# Altium PCB 6 Layers Motherboard.PcbDoc (part 1 of 2) (continued)
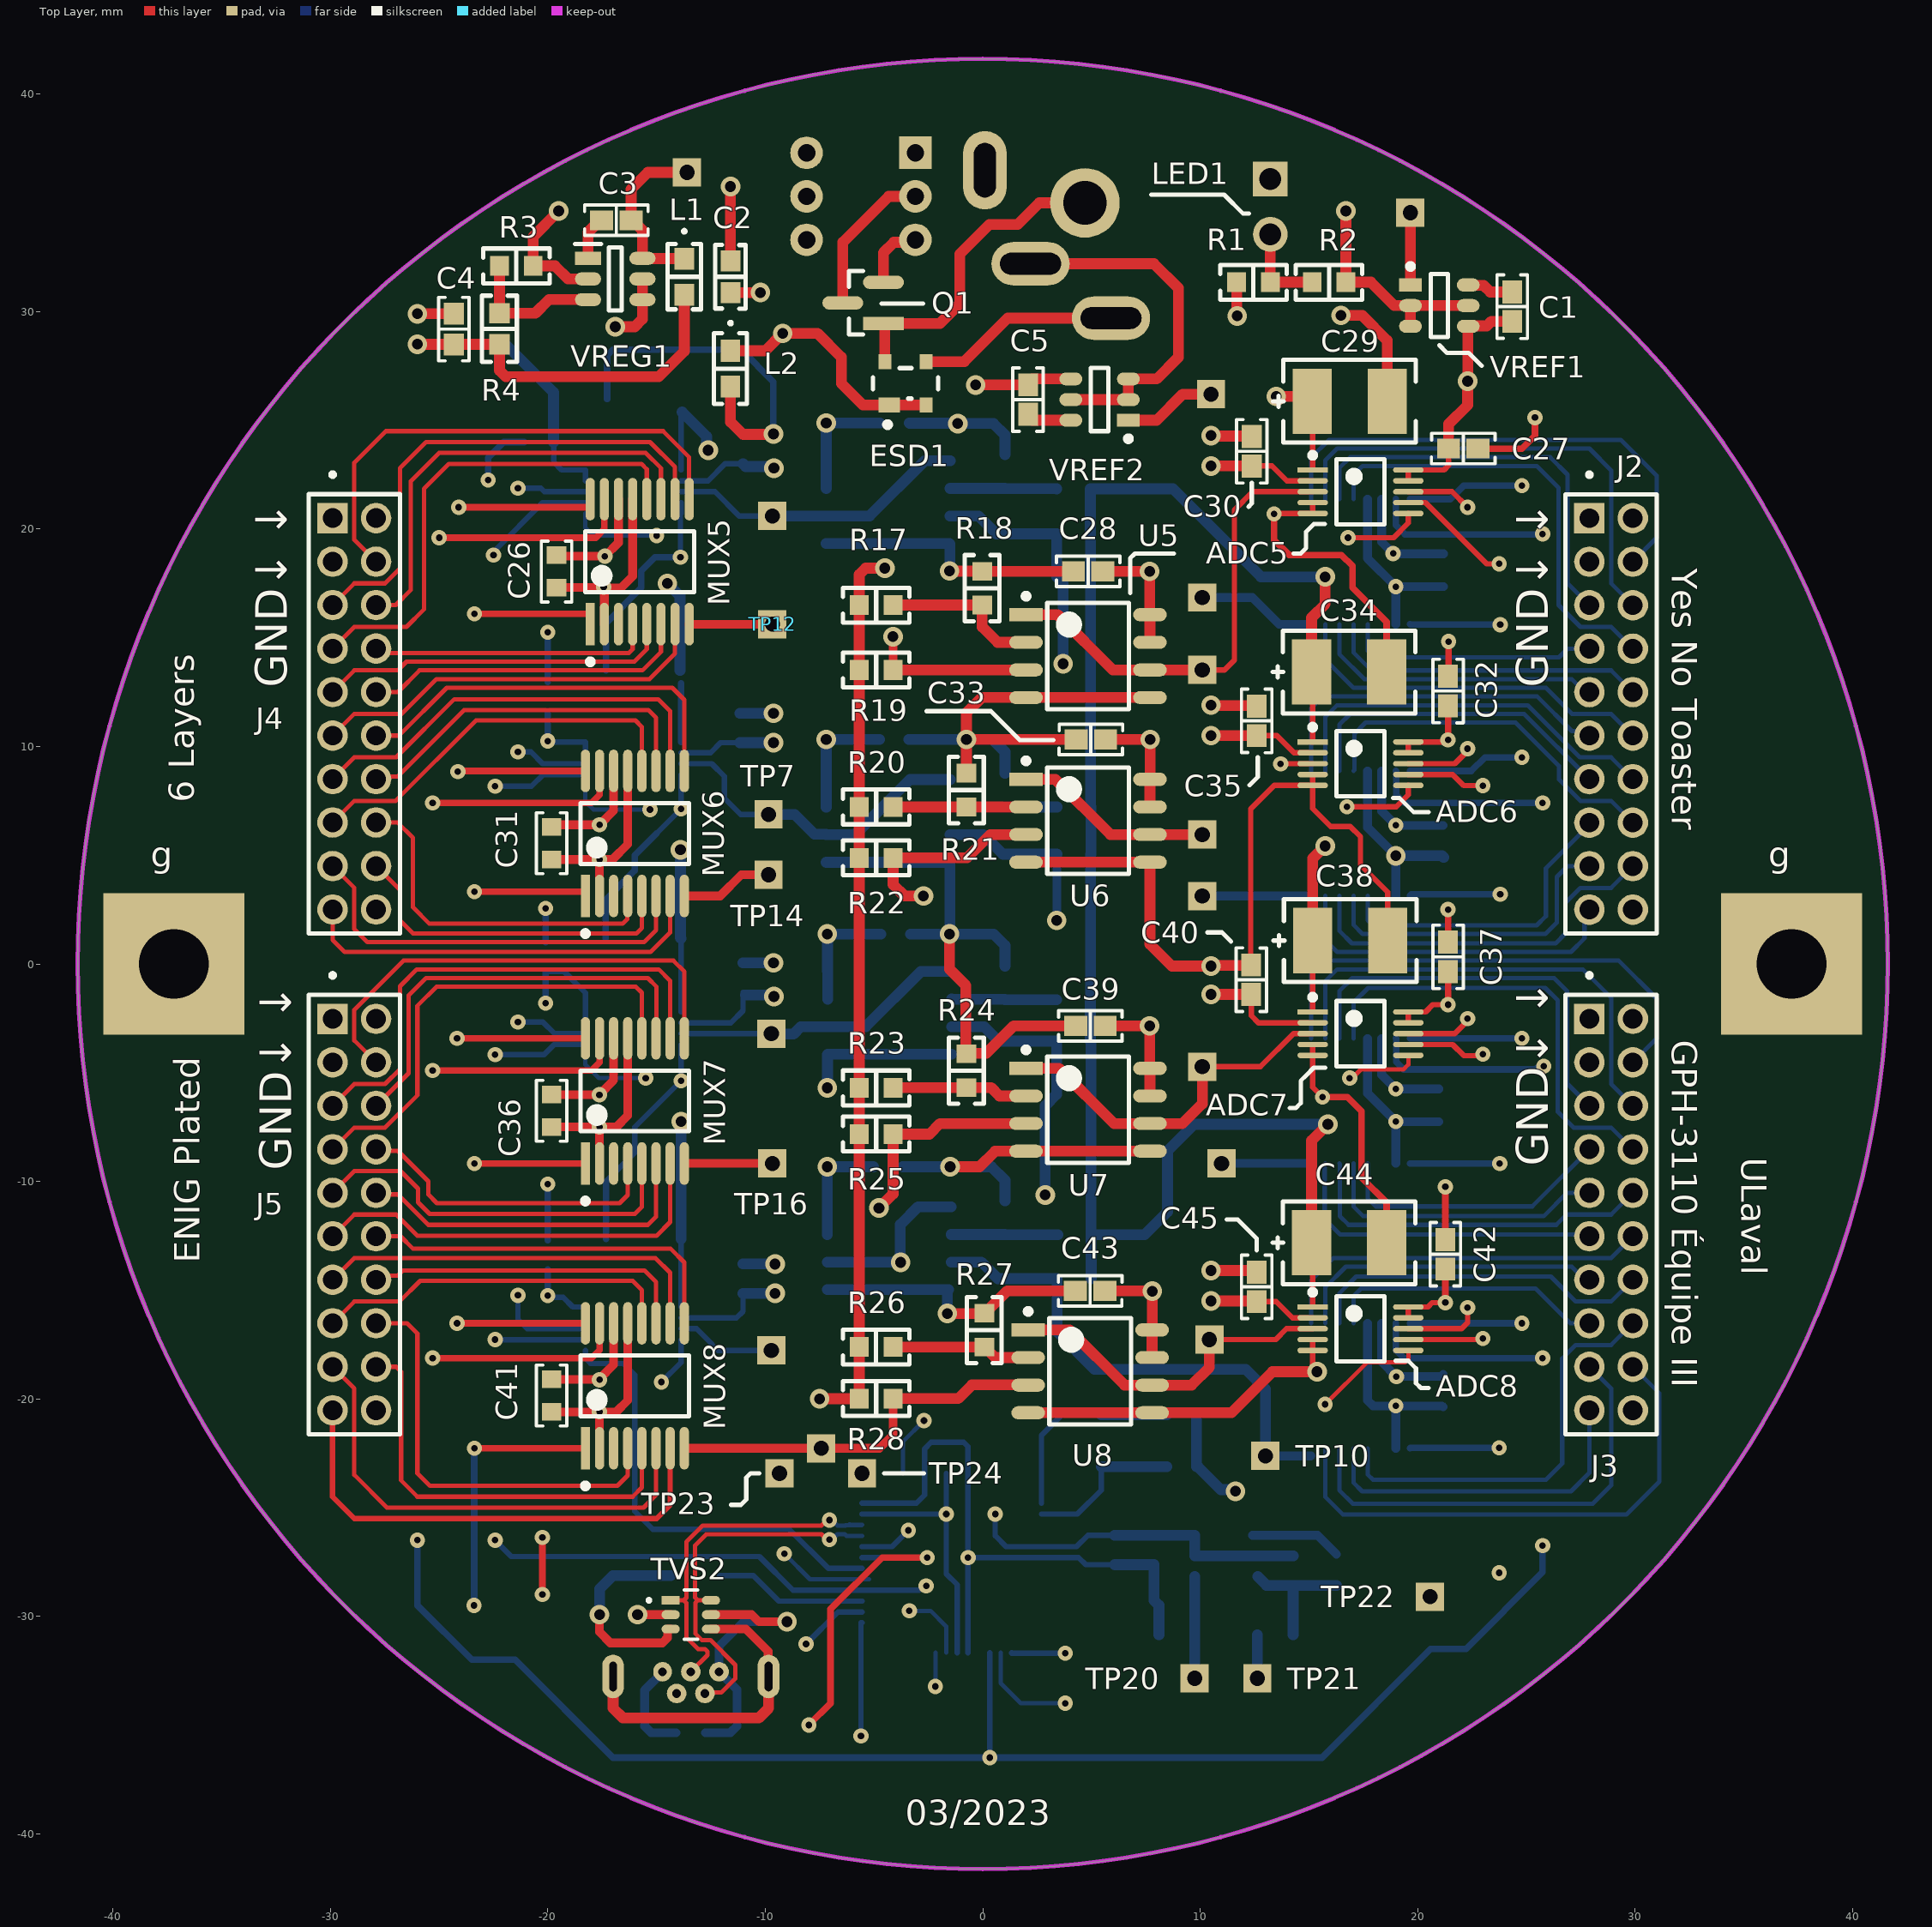
[diagram p0: Top Layer view]
## Components (designator, comment, footprint, x,y, rotation, side; value= is the part's Value field where it differs from the comment) (continued)
MUX5 "TMUX1208PWR" TMUX1208PWR -15.775,18.499 r90 top
MUX6 "TMUX1208PWR" TMUX1208PWR -16,6 r90 top
MUX7 "TMUX1208PWR" TMUX1208PWR -16,-6.3 r90 top
MUX8 "TMUX1208PWR" TMUX1208PWR -16,-19.4 r90 top
Q1 "IRLML9303TRPBF" IRLML9303TRPBF -5.5,30.4 r180 top
R1 "RC0603FR-072K61L" "Resistor Yaego SMT 0603" 12.45,31.35 r0 top value=2K61
R2 "RC0603FR-074K64L" "Resistor Yaego SMT 0603" 15.927,31.35 r180 top value=4K64
R3 "Res 22K1 SMT 0603" "Resistor Yaego SMT 0603" -21.448,32.1 r0 top value=22K1
R4 "Res 88K7 SMT 0603" "Res 88K7 1% SMT 0603" -22.225,29.208 r270 top
R5 "Res 10K SMT 0603" "Res 10K 0.1% SMT 0603" 4.175,21.85 r180 bottom value=10K
R6 "Res 10K SMT 0603" "Res 10K 0.1% SMT 0603" 1.025,22.647 r90 bottom value=10K
R7 "Res 10K SMT 0603" "Res 10K 0.1% SMT 0603" 4.175,19.775 r180 bottom value=10K
R8 "Res 10K SMT 0603" "Res 10K 0.1% SMT 0603" 4.2,7.22 r180 bottom value=10K
R9 "Res 10K SMT 0603" "Res 10K 0.1% SMT 0603" 1.025,7.987 r90 bottom value=10K
R10 "Res 10K SMT 0603" "Res 10K 0.1% SMT 0603" 4.2,5.05 r180 bottom value=10K
R11 "Res 10K SMT 0603" "Res 10K 0.1% SMT 0603" 4.175,-1.65 r180 bottom value=10K
R12 "Res 10K SMT 0603" "Res 10K 0.1% SMT 0603" 1.025,-0.873 r90 bottom value=10K
R13 "Res 10K SMT 0603" "Res 10K 0.1% SMT 0603" 4.175,-3.55 r180 bottom value=10K
R14 "Res 10K SMT 0603" "Res 10K 0.1% SMT 0603" 4.225,-12.45 r180 bottom value=10K
R15 "Res 10K SMT 0603" "Res 10K 0.1% SMT 0603" 1.025,-11.673 r90 bottom value=10K
R16 "Res 10K SMT 0603" "Res 10K 0.1% SMT 0603" 4.2,-14.475 r180 bottom value=10K
R17 "Res 10K SMT 0603" "Res 10K 0.1% SMT 0603" -4.9,16.502 r0 top value=10K
R18 "Res 10K SMT 0603" "Res 10K 0.1% SMT 0603" -0.025,17.278 r90 top value=10K
R19 "Res 10K SMT 0603" "Res 10K 0.1% SMT 0603" -4.9,13.52 r0 top value=10K
R20 "Res 10K SMT 0603" "Res 10K 0.1% SMT 0603" -4.9,7.22 r0 top value=10K
R21 "Res 10K SMT 0603" "Res 10K 0.1% SMT 0603" -0.75,7.997 r90 top value=10K
R22 "Res 10K SMT 0603" "Res 10K 0.1% SMT 0603" -4.9,4.875 r0 top value=10K
R23 "Res 10K SMT 0603" "Res 10K 0.1% SMT 0603" -4.9,-5.7 r0 top value=10K
R24 "Res 10K SMT 0603" "Res 10K 0.1% SMT 0603" -0.75,-4.912 r90 top value=10K
R25 "Res 10K SMT 0603" "Res 10K 0.1% SMT 0603" -4.9,-7.825 r0 top value=10K
R26 "Res 10K SMT 0603" "Res 10K 0.1% SMT 0603" -4.902,-17.615 r0 top value=10K
R27 "Res 10K SMT 0603" "Res 10K 0.1% SMT 0603" 0.075,-16.838 r90 top value=10K
R28 "Res 10K SMT 0603" "Res 10K 0.1% SMT 0603" -4.9,-19.99 r0 top value=10K
S1 "TL2230EEF100" "SW DPDT Pushbutton" -5.64,35.395 r270 bottom
TP1 "Test Point" "SQ Pad" 19.667,34.55 r90 bottom
TP2 "Test Point" "SQ Pad" 10.5,26.2 r90 bottom
TP3 "Test Point" "SQ Pad" -13.6,36.4 r90 bottom
TP4 "Test Point" "SQ Pad" 10.1,16.85 r90 bottom
TP5 "Test Point" "SQ Pad" -9.675,20.6 r90 bottom
TP6 "Test Point" "SQ Pad" 10.1,3.125 r90 bottom
TP7 "Test Point" "SQ Pad" -9.85,6.875 r90 top
TP8 "Test Point" "SQ Pad" 10.987,-9.175 r0 bottom
TP9 "Test Point" "SQ Pad" -9.725,-3.206 r90 bottom
TP10 "Test Point" "SQ Pad" 13,-22.625 r90 top
TP11 "Test Point" "SQ Pad" -9.725,-17.775 r90 bottom
TP12 "Test Point" "SQ Pad" -9.675,15.623 r90 top
TP13 "Test Point" "SQ Pad" 10.1,13.52 r90 bottom
TP14 "Test Point" "SQ Pad" -9.85,4.1 r180 top
TP15 "Test Point" "SQ Pad" 10.1,5.95 r90 bottom
TP16 "Test Point" "SQ Pad" -9.675,-9.175 r180 top
TP17 "Test Point" "SQ Pad" 10.1,-4.725 r90 bottom
TP18 "Test Point" "SQ Pad" -7.425,-22.275 r90 bottom
TP19 "Test Point" "SQ Pad" 10.425,-17.275 r90 bottom
TP20 "Test Point" "SQ Pad" 9.75,-32.85 r90 top
TP21 "Test Point" "SQ Pad" 12.63,-32.85 r90 top
TP22 "Test Point" "SQ Pad" 20.575,-29.1 r90 bottom
TP23 "Test Point" "SQ Pad" -9.35,-23.425 r90 top
TP24 "Test Point" "SQ Pad" -5.55,-23.425 r90 top
TVS2 "USB OTG TVS Diode Array 25V Clamp SMD" RCLAMP0504FA.TCT -13.425,-29.925 r0 top
U1 "" MCP6N11-100E/SN -4.35,21.235 r180 bottom
U2 "" MCP6N11-100E/SN -4.35,6.575 r180 bottom
U3 "" MCP6N11-100E/SN -4.275,-2.25 r180 bottom
U4 "Instrumentation Op Amp 35 MHz 8 pins" MCP6N11-100E/SN -4.3,-13.075 r180 bottom
U5 "Instrumentation Op Amp 35 MHz 8 pins" MCP6N11-100E/SN 4.842,14.155 r0 top
U6 "Instrumentation Op Amp 35 MHz 8 pins" MCP6N11-100E/SN 4.842,6.585 r0 top
U7 "Instrumentation Op Amp 35 MHz 8 pins" MCP6N11-100E/SN 4.842,-6.705 r0 top
U8 "Instrumentation Op Amp 35 MHz 8 pins" MCP6N11-100E/SN 4.942,-18.735 r0 top
USB1 "USB3106-30-0230-A" "USB Micro-AB Connector B" -13.425,-32.55 r180 bottom
VREF1 "Voltage Reference Series Fixed 3.3V" MCP1501T-XXE/CHY 21,30.275 r0 top
VREF2 "Voltage Reference Series Fixed 1.8V" MCP1501T-XXE/CHY 5.375,25.952 r180 top
VREF3 "Voltage Reference Series Fixed 3.3V" MCP1501T-XXE/CHY 11.075,-27.223 r0 bottom
VREG1 "Buck Adjustable Switching Reg Pos" LMR50410YFQDBVRQ1 -16.9,31.5 r0 top
Y1 "ABS07-120-32.768KHZ-T" "ABS07-120-32.768KHZ-T A" 5.45,-21.925 r90 bottom value=32.768kHz

## Footprints (in the part's own frame and the unit in brackets; to place one, negate y for a bottom-side part, rotate by r counter-clockwise, add the part's x,y. Pads: shape width x height; smd on the part's side, far side on the other; paste and mask are expansions set on the pad)
"ABS07-120-32.768KHZ-T A" [mm] "32.768 kHz ±20ppm Crystal 6pF 55 kOhms 2-SMD, No Lead"
  rect 1.4x1.9 smd: 1(-1.2,0) 2(1.2,0)
  silkscreen extent -2.2,-1.3 2.2,1.3, body extent -1.6,-0.75 1.6,0.75, height 0.9
ATSAMD21G18-AU [mm] "ARM® Cortex®-M0+ SAM D21G, Functional Safety (FuSa) Microcontroller IC 32-Bit Single-Core 48MHz 256KB (256K x 8) FLASH 48-TQFP (7x7)"
  rect 1.655x0.252 smd paste+0 mask+0: 1(-4.125,2.75)
  rrect100% 1.655x0.252 smd paste+0 mask+0: 2(-4.125,2.25) 3(-4.125,1.75) 4(-4.125,1.25) 5(-4.125,0.75) 6(-4.125,0.25) 7(-4.125,-0.25) 8(-4.125,-0.75) 9(-4.125,-1.25) 10(-4.125,-1.75) 11(-4.125,-2.25) 12(-4.125,-2.75) 25(4.125,-2.75) 26(4.125,-2.25) 27(4.125,-1.75) 28(4.125,-1.25) 29(4.125,-0.75) 30(4.125,-0.25) 31(4.125,0.25) 32(4.125,0.75) 33(4.125,1.25) 34(4.125,1.75) 35(4.125,2.25) 36(4.125,2.75)
  rrect100% 0.252x1.655 smd paste+0 mask+0: 13(-2.75,-4.125) 14(-2.25,-4.125) 15(-1.75,-4.125) 16(-1.25,-4.125) 17(-0.75,-4.125) 18(-0.25,-4.125) 19(0.25,-4.125) 20(0.75,-4.125) 21(1.25,-4.125) 22(1.75,-4.125) 23(2.25,-4.125) 24(2.75,-4.125) 37(2.75,4.125) 38(2.25,4.125) 39(1.75,4.125) 40(1.25,4.125) 41(0.75,4.125) 42(0.25,4.125) 43(-0.25,4.125) 44(-0.75,4.125) 45(-1.25,4.125) 46(-1.75,4.125) 47(-2.25,4.125) 48(-2.75,4.125)
  silkscreen extent -4.25,-2.75 2.75,3.58, body extent -4.5,-4.5 4.5,4.5, height 1.2
"Cap Ceramic 0.1 uF 50V SMT 0603" [mm] "0.1 µF ±5% 50V Ceramic Capacitor X7R 0603 (1608 Metric)"
  rect 1.058x0.912 smd paste+0 mask+0: 1(-0.677,0) 2(0.677,0)
  silkscreen extent -1.46,-0.7 1.46,0.7, body extent -1.46,-0.71 1.46,0.71, height 0.25
"Cap Ceramic 0.22 uF 25V SMT 0603" [mm] "0.22 µF ±10% 25V Ceramic Capacitor X7R 0603 (1608 Metric)"
  rect 0.959x0.912 smd paste+0 mask+0: 1(-0.727,0) 2(0.727,0)
  silkscreen extent -1.46,-0.7 1.46,0.7, body extent -1.46,-0.71 1.46,0.71, height 0.25
"Cap Ceramic 1 uF 16V SMT 0603" [mm] "1 µF ±10% 16V Ceramic Capacitor X5R 0603 (1608 Metric)"
  rect 1.058x0.912 smd paste+0 mask+0: 1(-0.677,0) 2(0.677,0)
  silkscreen extent -1.46,-0.7 1.46,0.7, body extent -0.8,-0.4 0.8,0.4, height 0.9
"Cap Ceramic 2.2 uF 6.3V SMT 0603" [mm] "2.2 µF ±10% 6.3V Ceramic Capacitor X7R 0603 (1608 Metric)"
  rect 1.058x0.912 smd paste+0 mask+0: 1(-0.677,0) 2(0.677,0)
  silkscreen extent -1.46,-0.7 1.46,0.7, body extent -1.46,-0.71 1.46,0.71, height 0.25
"Cap Ceramic 10 uF SMT 0603" [mm] "10 µF ±10% 6.3V Ceramic Capacitor X5R 0603 (1608 Metric)"
  rect 1.008x0.912 smd paste+0 mask+0: 1(-0.702,0) 2(0.702,0)
  silkscreen extent -1.46,-0.7 1.46,0.7, body extent -1.46,-0.71 1.46,0.71, height 0.25
"Cap Tantalum 10 uF 16V SMT 1411" [mm] "10 µF Molded Tantalum Capacitors 16 V 1411 (3528 Metric) 2Ohm"
  rect 1.8x3 smd paste+0 mask+0: 1(-1.725,0) 2(1.725,0)
  silkscreen extent -3.05,-1.91 3.52,1.91, body extent -1.75,-1.4 1.75,1.4, height 2.1
"Cap Yaego 0603 MFG" [mm]
  rect 0.8x0.9 smd paste+0 mask+0: 1(-0.75,0) 2(0.75,0)
  silkscreen extent -1.4,-0.7 1.4,0.7, body extent -0.8,-0.4 0.8,0.4, height 0.9
"Capacitor 20 pF SMT 0603" [mm]
  rect 1.058x0.912 smd paste+0 mask+0: 1(-0.677,0) 2(0.677,0)
  silkscreen extent -1.46,-0.7 1.46,0.7, body extent -0.8,-0.4 0.8,0.4, height 0.9
"DC Power Jack 2.5 mm" [mm] "Power Barrel Connector Jack 2.50mm ID (0.098\"), 5.50mm OD (0.217\") Through Hole"
  round 3.2 hole 2: 1(0,0)
  oval 3.6x2 hole 1 slot 2.8 at 0 deg: 2(-1.2,-5.3) 3(2.5,-2.8)
  oval 2x3.6 hole 1 slot 2.5 at 90 deg: S1(4.6,1.5)
  silkscreen extent -5.5,-6.75 4.75,4.45, body extent -4.7,-6.7 4.8,4.5, height 14.2
"Eaton Ferrite Bead 0603" [mil] "Power Line Ferrite Bead 0603 (1608 Metric)"
  rect 33.78x39 smd paste+0 mask+0: 1(-32.39,0) 2(32.39,0)
  silkscreen extent -85,-31 60,31, body extent -36,-19 36,19, height 39
"Headers 20 Pos TH 0.079\" 4-3 - A" [mm] "Connector Header Through Hole 20 position 0.079\" (2.00mm)"
  rect 1.4x1.4 hole 0.9: 1(-9,-1)
  round 1.4 hole 0.9: 2(-7,-1) 3(-5,-1) 4(-3,-1) 5(-1,-1) 6(1,-1) 7(3,-1) 8(5,-1) 9(7,-1) 10(9,-1) 11(9,1) 12(7,1) 13(5,1) 14(3,1) 15(1,1) 16(-1,1) 17(-3,1) 18(-5,1) 19(-7,1) 20(-9,1)
  silkscreen extent -11.1,-2.1 10.1,2.1, body extent -10,-2 10,2, height 6
"Inductor 4.7 uH SMT 0603" [mil] "4.7 µH Shielded Multilayer Inductor 15 mA 2.1Ohm Max 0603 (1608 Metric)"
  rect 40x35 smd paste+0 mask+0: 1(-32.5,0) 2(32.5,0)
  silkscreen extent -85,-30 59,30, body extent -34,-19 34,19, height 39
IRLML9303TRPBF [mm] "P-Channel 30 V 2.3A (Ta) 1.25W (Ta) Surface Mount Micro3™/SOT-23"
  rect 1.874x0.612 smd paste+0 mask+0: 1(-0.935,0.95)
  rrect100% 1.874x0.612 smd paste+0 mask+0: 2(-0.935,-0.95) 3(0.935,0)
  silkscreen extent 0,-1.46 0.65,1.46, body extent -2.37,-1.96 2.37,1.96, height 0.25
"Keystone Square Washer pad" [mm]
  rect 6.5x6.5 hole 3.2: 1(0,0)
"Led 3 mm Vertical Clear" [mm] "Green 530nm LED Indication - Discrete 3.2V Radial"
  rect 1.6x1.6 hole 1: 1(1.27,0)
  round 1.6 hole 1: 2(-1.27,0)
  silkscreen extent -1.66,-1.95 1.4,1.95, body extent -1.95,-1.94 1.87,1.94, height 10.5
LMR50410YFQDBVRQ1 [mm] "Buck Switching Regulator IC Positive Adjustable 1V 1 Output 1A SOT-23-6"
  rect 1.2x0.6 smd: 1(-1.25,0.95)
  oval 1.2x0.6 smd: 2(-1.25,0) 3(-1.25,-0.95) 4(1.25,-0.95) 5(1.25,0) 6(1.25,0.95)
  silkscreen extent -1.85,-1.45 0.3,1.6, body extent -1.4,-1.45 1.4,1.45, height 1.45
MCP6N11-100E/SN [mm] "Instrumentation Amplifier 1 Circuit Rail-to-Rail 8-SOIC"
  rect 1.55x0.6 smd: 1(-2.85,1.905)
  oval 1.55x0.6 smd: 2(-2.85,0.635) 3(-2.85,-0.635) 4(-2.85,-1.905) 5(2.85,-1.905) 6(2.85,-0.635) 7(2.85,0.635) 8(2.85,1.905)
  silkscreen extent -2.98,-2.45 1.88,2.88, body extent -3,-2.45 3,2.45, height 1.75
MCP1501T-XXE/CHY [mm] "Series Voltage Reference IC Fixed V ±0.1% 20 mA SOT-23-6"
  rect 1.05x0.6 smd: 1(-1.325,0.95)
  oval 1.05x0.6 smd: 2(-1.325,0) 3(-1.325,-0.95) 4(1.325,-0.95) 5(1.325,0) 6(1.325,0.95)
  silkscreen extent -1.45,-1.45 0.4,1.92, body extent -1.4,-1.45 1.4,1.45, height 1.17
MCP33141-10-E/MS [mm] "12 Bit Analog to Digital Converter 1 Input 1 SAR 10-MSOP"
  rect 1.4x0.25 smd: 1(-2.2,1)
  oval 1.4x0.25 smd: 2(-2.2,0.5) 3(-2.2,0) 4(-2.2,-0.5) 5(-2.2,-1) 6(2.2,-1) 7(2.2,-0.5) 8(2.2,0) 9(2.2,0.5) 10(2.2,1)
  silkscreen extent -2.33,-1.5 1.1,1.8, body extent -2.45,-1.5 2.45,1.5, height 1.1
RCLAMP0504FA.TCT [mil]
  rect 33x16 smd paste+0 mask+0: 1(-36.5,26)
  oval 33x16 smd paste+0 mask+0: 2(-36.5,0) 3(-36.5,-26) 4(36.5,-26) 5(36.5,0) 6(36.5,26)
  silkscreen extent -79,-44 12,44, body extent -39,-39 39,39, height 43
"Res 10K 0.1% SMT 0603" [mm] "10 kOhms ±0.1% 0.1W, 1/10W Chip Resistor 0603 (1608 Metric) Thin Film"
  rect 0.859x0.912 smd paste+0 mask+0: 1(-0.777,0) 2(0.777,0)
  silkscreen extent -1.52,-0.8 1.52,0.8, body extent -0.76,-0.4 0.84,0.4, height 0.58
"Res 88K7 1% SMT 0603" [mm] "88.7 kOhms ±1% 0.1W, 1/10W Chip Resistor 0603 (1608 Metric) Automotive AEC-Q200 Thick Film"
  rect 0.935x0.962 smd paste+0 mask+0: 1(-0.715,0) 2(0.715,0)
  silkscreen extent -1.52,-0.8 1.52,0.8, body extent -1.43,-0.73 1.43,0.73, height 0.25
"Resistor Yaego SMT 0603" [mm] "Resistor Yaego SMT 0603"
  rect 0.859x0.912 smd paste+0 mask+0: 1(-0.777,0) 2(0.777,0)
  silkscreen extent -1.52,-0.8 1.52,0.8, body extent -1.46,-0.71 1.46,0.71, height 0.25
"Schottky Diode 30V SMT" [mm] "NSR0530HT1G"
  rect 0.625x0.83 smd: 1(-1.112,0) 2(1.112,0)
  silkscreen extent -1.78,-0.8 1.78,0.8, body extent -1.36,-0.63 1.36,0.62, height 1.05
"SQ Pad" [mm] "Pad"
  rect 1.3x1.3 hole 0.7: 1(0,0)
"SW DPDT Pushbutton" [mm] "Pushbutton Switch DPDT Standard Through Hole"
  rect 1.5x1.5 hole 0.8: 1(-1.905,-2.54)
  round 1.5 hole 0.8: 2(0.095,-2.54) 3(2.095,-2.54) 4(-1.905,2.46) 5(0.095,2.46) 6(2.095,2.46)
  silkscreen extent -3.4,-4.14 3.59,3.46, body extent -3.4,-3.53 3.6,3.47, height 12.5
TMUX1208PWR [mm] "5-V, 8: 1, 1-channel general-purpose analog multiplexer with 1.8-V input logic 16-TSSOP -40 to 125"
  rect 1.955x0.421 smd paste+0 mask+0: 1(-2.875,2.275)
  rrect100% 1.955x0.421 smd paste+0 mask+0: 2(-2.875,1.625) 3(-2.875,0.975) 4(-2.875,0.325) 5(-2.875,-0.325) 6(-2.875,-0.975) 7(-2.875,-1.625) 8(-2.875,-2.275) 9(2.875,-2.275) 10(2.875,-1.625) 11(2.875,-0.975) 12(2.875,-0.325) 13(2.875,0.325) 14(2.875,0.975) 15(2.875,1.625) 16(2.875,2.275)
  silkscreen extent -4.73,-2.5 1.4,2.5, body extent -3.2,-2.5 3.2,2.5, height 1.2
"TVS Diode Array Ultra-Low Capacitance" [mm] "Clamp Ipp Tvs Diode Surface Mount SOT-143B"
  rect 0.7x1 smd paste-1000 mask+0: 1(-1,0.75)
  rect 0.7x0.6 smd paste-1000 mask+0: 2(-1,-0.95) 3(1,-0.95) 4(1,0.95)
  silkscreen extent -2.02,-1.5 0.7,1.5, body extent -1.5,-1.63 1.5,1.63, height 0.25
"USB Micro-AB Connector B" [mm] "USB - Micro AB 2.0 Receptacle Connector 5 Position, Vertical, Through Hole with 2.30 mm (Standard) Shell Stakes, 5-Pin THD, RoHS, Tape and Reel"
  round 0.9 hole 0.4: 1(-1.3,0) 2(-0.65,-1) 3(0,0) 4(0.65,-1)
  oval 0.85x0.9 hole 0.4: 5(1.3,0)
  oval 1x2 hole 0.35 slot 1.35 at 90 deg: 6(-3.575,-0.22) 7(3.575,-0.22)
  silkscreen extent -4.03,-1.68 4.03,1.95, body extent -3.98,-1.68 3.98,1.25, height 5.61

## Part data
ADC1 ADC2 ADC3 ADC4 ADC5 ADC6 ADC7 ADC8: library part "ADC 12 bits 1MSPS", "12 Bit Analog to Digital Converter 1 Input 1 SAR 10-MSOP", Supplier Part Number 1=MCP33141-10-E/MS-ND, Supplier 1=Digi-Key
ATSAMD1: library part ATSAMD21G18A-AU, "ARM® Cortex®-M0+ SAM D21G, Functional Safety (FuSa) Microcontroller IC 32-Bit Single-Core 48MHz 256KB (256K x 8) FLASH 48-TQFP (7x7)", Supplier Part Number 1=ATSAMD21G18A-AU-ND, ComponentLink1Description=Datasheet, ComponentLink1URL=https://ww1.microchip.com/downloads/en/DeviceDoc/SAM-D21-DA1-Family-Data-Sheet-DS40001882H.pdf, ComponentLink2Description="Arduino Zero", ComponentLink2URL=https://docs.arduino.cc/hardware/zero, Supplier 1=Digi-Key
C1 C5 C46: "2.2 µF ±10% 6.3V Ceramic Capacitor X7R 0603 (1608 Metric)", Device Package="0603 (1608 Metric)", Manufacturer=Yageo, Operating Temperature="-55°C ~ 125°C", Part Number=CC0603KRX7R5BB225, Supplier Part Number 1=311-1795-1-ND, Temperature Coefficient=X7R, Tolerance=±10%, Voltage - Rated=6.3V, Applications="General Purpose", ComponentLink1Description=Datasheet, ComponentLink2Description="DigiKey Link", ComponentLink2URL=https://www.digikey.com/en/products/detail/yageo/CC0603KRX7R5BB225/5195203, lastupdated="2023-03-06 20:08:32", Lifecycle Status=Active, Minimum Order=1, Mounting Type="Surface Mount, MLCC", Package / Case="0603 (1608 Metric)", Packaging=TapeAndReel, Part Status=Active, partid=41539, price=0.01, Series=CC, Size / Dimension="0.063\" L x 0.031\" W (1.60mm x 0.80mm)", Supplier 1=Digi-Key, Supplier 2=Digi-Key, Supplier 3=Digi-Key, Supplier Part Number 2=311-1795-6-ND, Supplier Part Number 3=311-1795-2-ND, Thickness (Max)="0.035\" (0.90mm)"
C2: "0.22 µF ±10% 25V Ceramic Capacitor X7R 0603 (1608 Metric)", Capacitance=0.22µF, Device Package="0603 (1608 Metric)", Manufacturer="Murata Electronics", Operating Temperature="-55°C ~ 125°C", Part Number=GRM188R71E224KA88D, Supplier Part Number 1=490-3290-1-ND, Temperature Coefficient=X7R, Tolerance=±10%, Voltage - Rated=25V, Applications="General Purpose", ComponentLink1Description=Datasheet, ComponentLink1URL=https://www.murata.com/~/media/webrenewal/support/library/catalog/products/capacitor/mlcc/c02e.ashx?la=en-us, ComponentLink2Description="DigiKey Link", ComponentLink2URL=https://www.digikey.com/en/products/detail/murata-electronics/GRM188R71E224KA88D/702554, lastupdated="2023-03-05 20:08:17", Lifecycle Status=Active, Minimum Order=1, Mounting Type="Surface Mount, MLCC", Package / Case="0603 (1608 Metric)", Packaging=TapeAndReel, Part Status=Active, partid=11196, price=0.01, Series=GRM, Size / Dimension="0.063\" L x 0.031\" W (1.60mm x 0.80mm)", Supplier 1=Digi-Key, Supplier 2=Digi-Key, Supplier 3=Digi-Key, Supplier Part Number 2=490-3290-6-ND, Supplier Part Number 3=490-3290-2-ND, Thickness (Max)="0.035\" (0.90mm)"
C3 C21 C23 C26 C28 C31 C33 C36 C39 C41 C43 C48 C49 C50: "0.1 µF ±5% 50V Ceramic Capacitor X7R 0603 (1608 Metric)", Capacitance=0.1μF, Device Package="0603 (1608 Metric)", Manufacturer=Yageo, Operating Temperature="-55°C ~ 125°C", Part Number=CC0603JRX7R9BB104, Supplier Part Number 1=311-1779-1-ND, Temperature Coefficient=X7R, Tolerance=±5%, Voltage - Rated=50V, Applications="General Purpose", ComponentLink1Description=Datasheet, ComponentLink1URL=https://www.yageo.com/upload/media/product/productsearch/datasheet/mlcc/UPY-GPHC_X7R_6.3V-to-50V_18.pdf, ComponentLink2Description="DigiKey Link", ComponentLink2URL=https://www.digikey.com/en/products/detail/yageo/CC0603JRX7R9BB104/5195188, lastupdated="2023-03-06 20:08:09", Lifecycle Status=Active, Minimum Order=1, Mounting Type="Surface Mount, MLCC", Package / Case="0603 (1608 Metric)", Packaging=TapeAndReel, Part Status=Active, partid=12474, price=0.01, Series=CC, Size / Dimension="0.063\" L x 0.031\" W (1.60mm x 0.80mm)", Supplier 1=Digi-Key, Supplier 2=Digi-Key, Supplier 3=Digi-Key, Supplier Part Number 2=311-1779-6-ND, Supplier Part Number 3=311-1779-2-ND, Thickness (Max)="0.035\" (0.90mm)"
C4: library part "Cap Ceramic 10 uF SMT 0603", "10 µF ±10% 6.3V Ceramic Capacitor X5R 0603 (1608 Metric)", Capacitance=10μF, Device Package="0603 (1608 Metric)", Manufacturer="Murata Electronics", Operating Temperature="-55°C ~ 85°C", Supplier Part Number 1=490-GRM188R60J106KE47JCT-ND, Temperature Coefficient=X5R, Tolerance=±10%, Voltage - Rated=6.3V, Applications="General Purpose", ComponentLink2Description="DigiKey Link", ComponentLink2URL=https://www.digikey.com/en/products/detail/murata-electronics/GRM188R60J106KE47J/10691412, lastupdated="2023-03-08 20:07:22", Lifecycle Status=Active, Minimum Order=1, Mounting Type="Surface Mount, MLCC", Package / Case="0603 (1608 Metric)", Packaging=TapeAndReel, Part Number=GRM188R60J106KE47J, Part Status=Active, partid=47219, price=0.01, Series=GRM, Size / Dimension="0.063\" L x 0.032\" W (1.60mm x 0.80mm)", Supplier 1=Digi-Key, Supplier 2=Digi-Key, Supplier 3=Digi-Key, Supplier Part Number 2=490-GRM188R60J106KE47JDKR-ND, Supplier Part Number 3=490-GRM188R60J106KE47JTR-ND, Thickness (Max)="0.035\" (0.90mm)"
C6 C7 C8 C11 C12 C13 C16 C17 C18 C22 C27 C32 C37 C42: library part "Cap Ceramic 0.1 uF SMT 0603", "0.1 µF ±5% 50V Ceramic Capacitor X7R 0603 (1608 Metric)", Capacitance=0.1μF, Device Package="0603 (1608 Metric)", Manufacturer=Yageo, Operating Temperature="-55°C ~ 125°C", Supplier Part Number 1=311-1779-1-ND, Temperature Coefficient=X7R, Tolerance=±5%, Voltage - Rated=50V, Applications="General Purpose", ComponentLink1Description=Datasheet, ComponentLink1URL=https://www.yageo.com/upload/media/product/productsearch/datasheet/mlcc/UPY-GPHC_X7R_6.3V-to-50V_18.pdf, ComponentLink2Description="DigiKey Link", ComponentLink2URL=https://www.digikey.com/en/products/detail/yageo/CC0603JRX7R9BB104/5195188, lastupdated="2023-03-06 20:08:09", Lifecycle Status=Active, Minimum Order=1, Mounting Type="Surface Mount, MLCC", Package / Case="0603 (1608 Metric)", Packaging=TapeAndReel, Part Number=CC0603JRX7R9BB104, Part Status=Active, partid=12474, price=0.01, Series=CC, Size / Dimension="0.063\" L x 0.031\" W (1.60mm x 0.80mm)", Supplier 1=Digi-Key, Supplier 2=Digi-Key, Supplier 3=Digi-Key, Supplier Part Number 2=311-1779-6-ND, Supplier Part Number 3=311-1779-2-ND, Thickness (Max)="0.035\" (0.90mm)"
C9 C14 C19 C24 C29 C34 C38 C44: "10 µF Molded Tantalum Capacitors 16 V 1411 (3528 Metric) 2Ohm", Case Code (Imperial)=1411, Supplier Part Number 1=718-1124-1-ND, Voltage Rating=16V, Supplier 1=Digi-Key, Supplier 2=Digi-Key, Supplier 3=Digi-Key, Supplier Part Number 2=718-1124-6-ND, Supplier Part Number 3=718-1124-2-ND